# Altium PCB Napelem_inverter_0805.PcbDoc (part 1 of 2)
Units mil, origin at the board's own origin, x right, y up, seen from the top; angles counter-clockwise.
Board outline 6000 x 4000 mil, 2 copper layers (Top Layer, Bottom Layer); 312 components, 166 nets, 981 pads, 0 vias.
Unrouted connection lines stored in the file: 658.
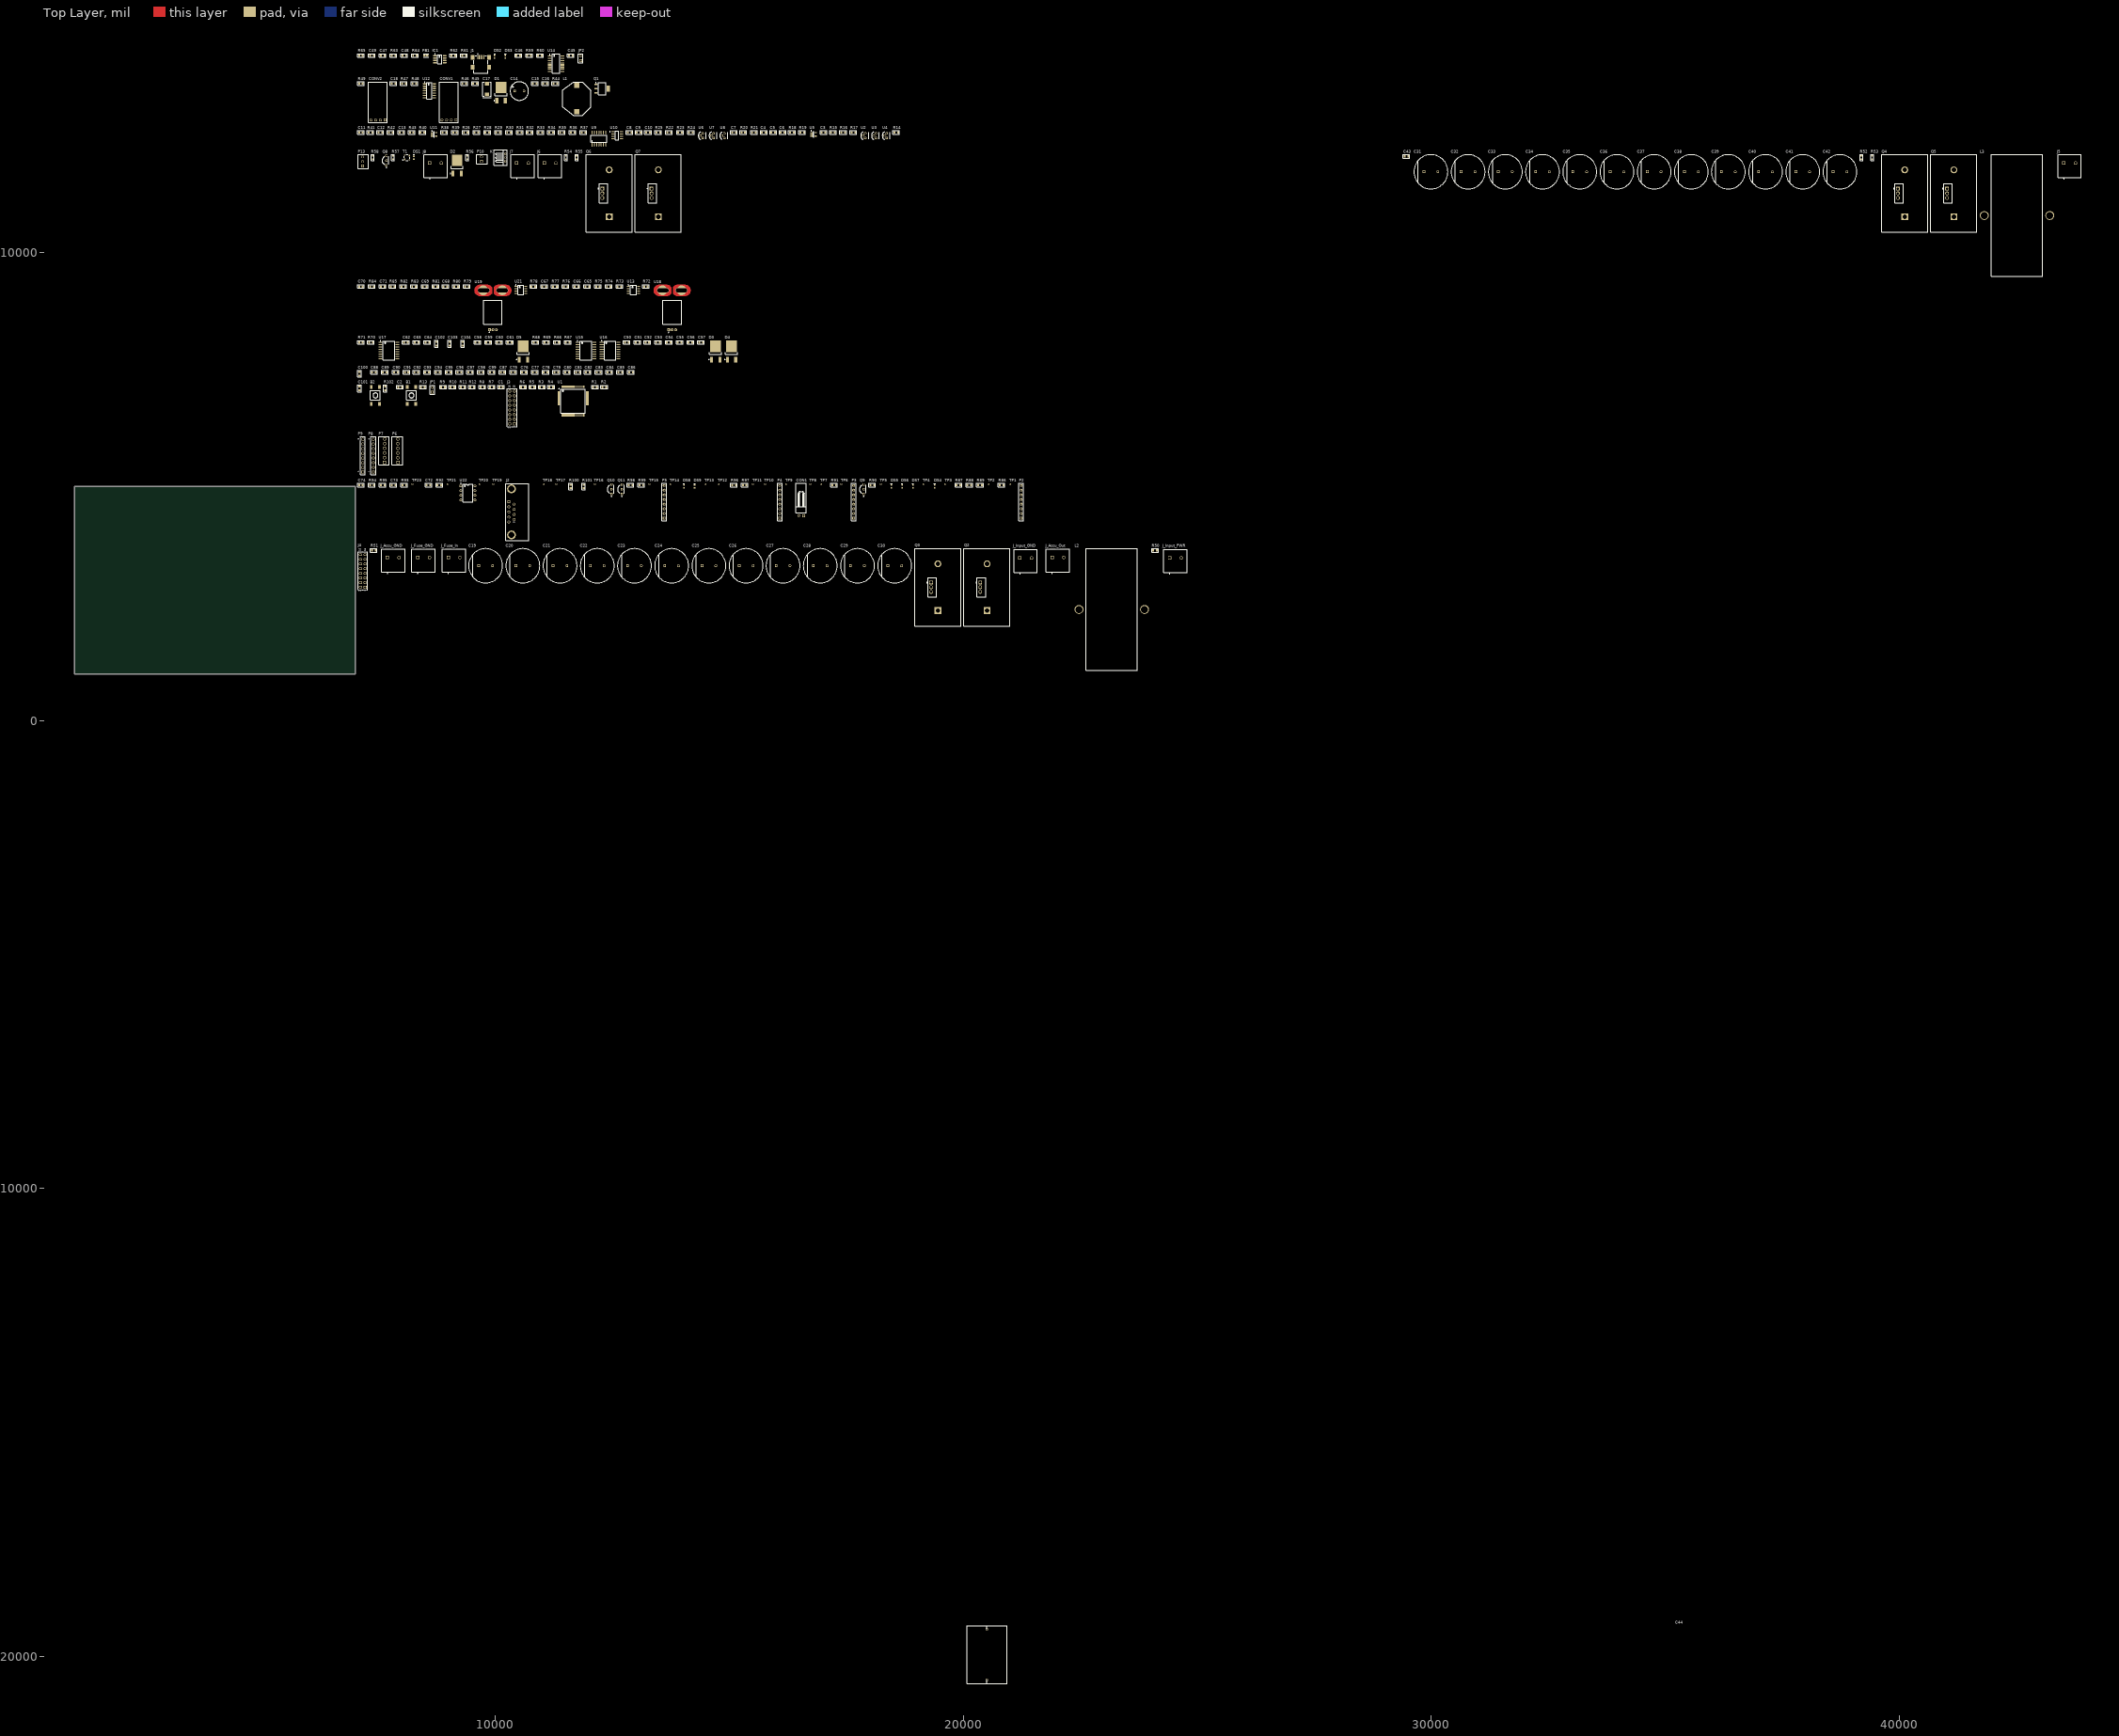
[diagram p0: Top Layer view]
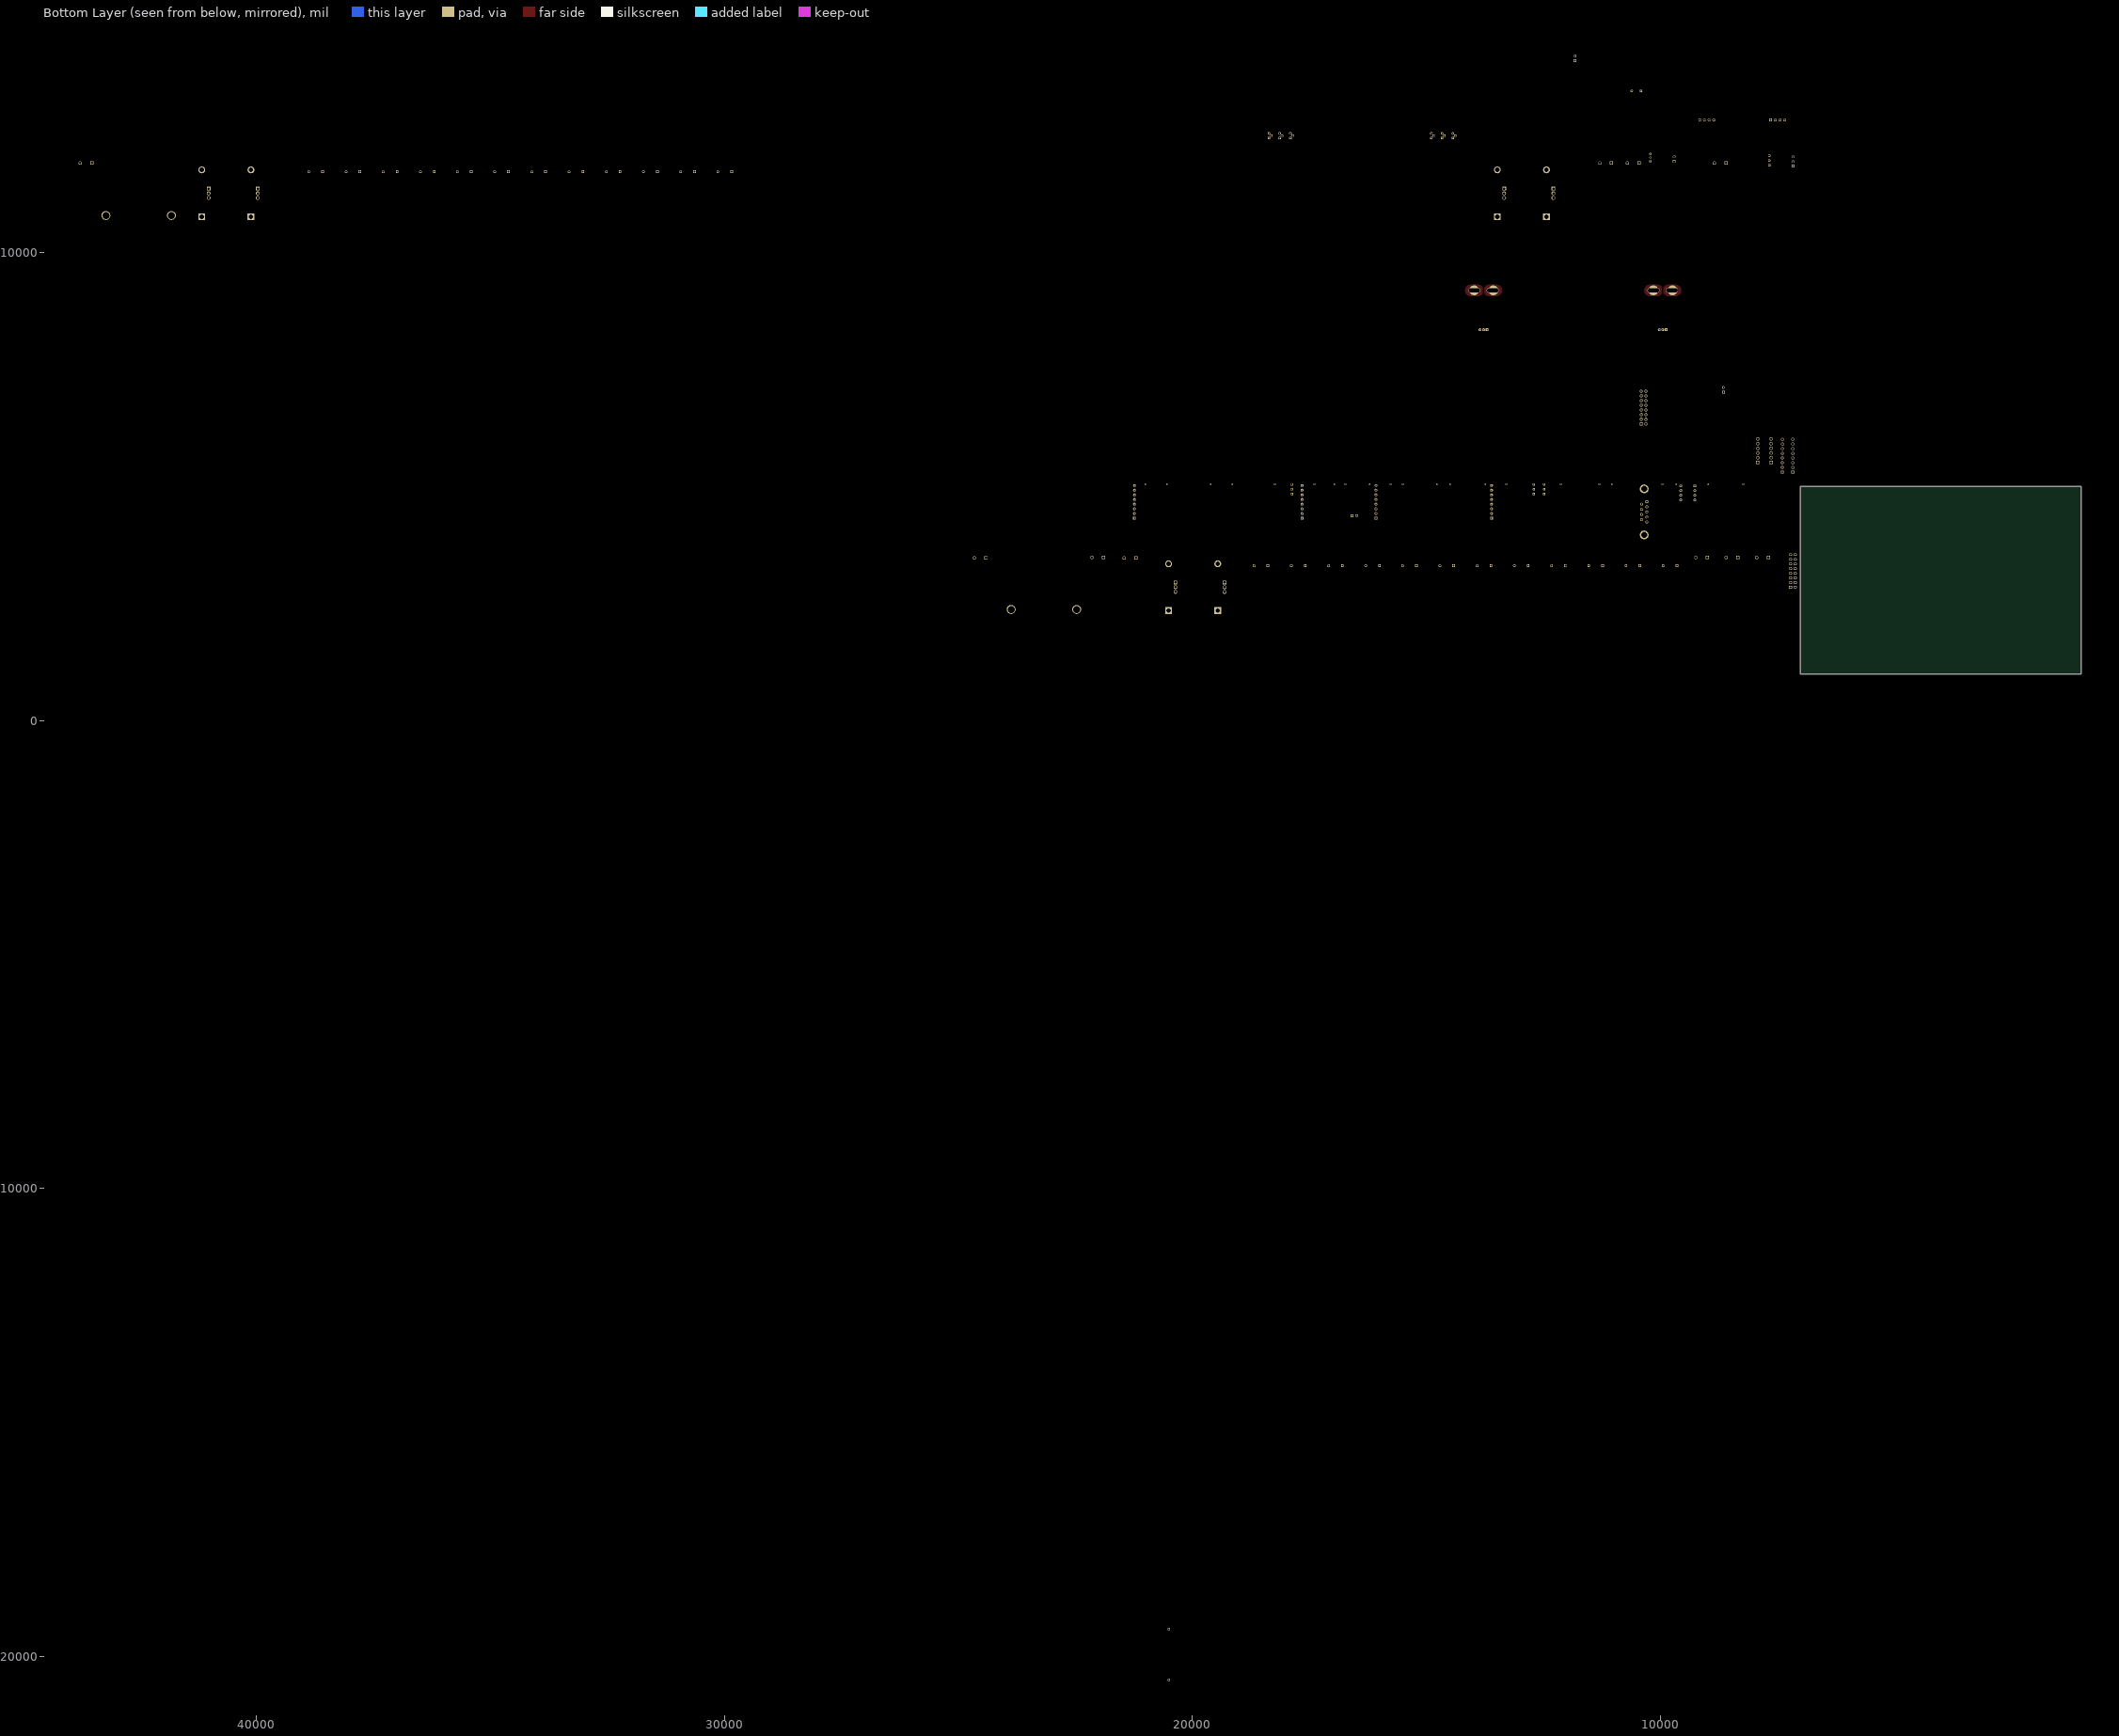
[diagram p1: Bottom Layer view, seen from below]

## Layer stack, top to bottom
Top Solder: solder mask 0.4, Solder Resist, Dk 3.5
Top Layer: signal copper 1.4
Dielectric 1: dielectric 12.6, FR-4, Dk 4.8
Bottom Layer: signal copper 1.4
Bottom Solder: solder mask 0.4, Solder Resist, Dk 3.5

## Board outline
1000,1000 7000,1000 7000,5000 1000,5000

## Design rules (kind name [scope] priority, off if disabled: settings)
Clearance [All] p1: gap=10 ignorepadtopadclearanceinfootprint=FALSE except(0: Arc-Hole Track-Hole SMDPad-Hole THPad-Hole Via-Hole Fill-Hole Poly-Hole Region-Hole Text-Hole)
PolygonConnect [All] p1: connectstyle=Relief reliefconductorwidth=10 reliefentries=4 polygonreliefangle="90 Angle" airgapwidth=10
RoomDefinition USB_and_FTDI [InComponentClass('USB_and_FTDI')] p1: confinementstyle=ConfineIn formatcopy=TRUE lockcomponents=FALSE outline 7045,13815 11950,13815 11950,14365 7045,14365
RoomDefinition PowerSupply [InComponentClass('PowerSupply')] p2: confinementstyle=ConfineIn formatcopy=TRUE lockcomponents=FALSE outline 7045,12770 12475,12770 12475,13765 7045,13765
RoomDefinition Measurements [InComponentClass('Measurements')] p3: confinementstyle=ConfineIn formatcopy=TRUE lockcomponents=FALSE outline 7045,12260 18670,12260 18670,12720 7045,12720
RoomDefinition Inverter [InComponentClass('Inverter')] p4: confinementstyle=ConfineIn formatcopy=TRUE lockcomponents=FALSE outline 7045,-20595 43900,-20595 43900,12210 7045,12210
RoomDefinition Hall_sensor [InComponentClass('Hall_sensor')] p5: confinementstyle=ConfineIn formatcopy=TRUE lockcomponents=FALSE outline 7045,8285 14185,8285 14185,9430 7045,9430
RoomDefinition Gate-Driver [InComponentClass('Gate-Driver')] p6: confinementstyle=ConfineIn formatcopy=TRUE lockcomponents=FALSE outline 7045,7645 15190,7645 15190,8235 7045,8235
RoomDefinition DSP_Supply [InComponentClass('DSP_Supply')] p7: confinementstyle=ConfineIn formatcopy=TRUE lockcomponents=FALSE outline 7045,7335 13010,7335 13010,7595 7045,7595
RoomDefinition DSP [InComponentClass('DSP')] p8: confinementstyle=ConfineIn formatcopy=TRUE lockcomponents=FALSE outline 7045,6230 12405,6230 12405,7280 7045,7280
RoomDefinition Display [InComponentClass('Display')] p9: confinementstyle=ConfineIn formatcopy=TRUE lockcomponents=FALSE outline 7045,5240 8030,5240 8030,6180 7045,6180
RoomDefinition Connectors [InComponentClass('Connectors')] p10: confinementstyle=ConfineIn formatcopy=TRUE lockcomponents=FALSE outline 7045,3835 21310,3835 21310,5185 7045,5185
RoomDefinition BoostConverter [InComponentClass('BoostConverter')] p11: confinementstyle=ConfineIn formatcopy=TRUE lockcomponents=FALSE outline 7045,1060 24900,1060 24900,3790 7045,3790
RoutingVias [All] p1: holewidth=28 width=50 viastyle="Through Hole" minholewidth=28 minwidth=50 maxholewidth=28 maxwidth=50
SolderMaskExpansion [All] p1: expansion=4 istentingtop=FALSE
Width [All] p1: maxlimit=10 minlimit=10 preferedwidth=10
30 further rules are at their usual default settings.

## Classes and differential pairs
component class USB_and_FTDI: C45 C46 C47 C48 C49 DS2 DS3 FB1 IC1 J1 JP2 R59 R60 R61 R62 R63 R64 R65 U14
component class PowerSupply: C14 C15 C16 C17 C18 CONV1 CONV2 D1 L1 Q1 R44 R45 R46 R47 R48 R49 U12
component class Measurements: C3 C4 C5 C6 C7 C8 C9 C10 C11 C12 C13 R14 R15 R16 R17 R18 R19 R20 R21 R22 R23 R24 R25 R26 R27 R28 R29 R30 R31 R32 R33 R34 R35 R36 R37 R38 R39 R40 R41 R42 R43 U2 U3 U4 U5 U6 U7 U8 U9 U10 U11
component class Inverter: C31 C32 C33 C34 C35 C36 C37 C38 C39 C40 C41 C42 C43 C44 D2 DS1 J5 J6 J7 J8 K L3 P10 P13 Q4 Q5 Q6 Q7 Q8 R52 R53 R54 R55 R56 R57 R58 T1
component class Hall_sensor: C65 C66 C67 C68 C69 C70 C71 R72 R73 R74 R75 R76 R77 R78 R79 R80 R81 R82 R83 R84 R85 U13 U18 U19 U21
component class Gate-Driver: C50 C51 C52 C53 C54 C55 C56 C57 C58 C59 C60 C61 C62 C63 C64 C102 C103 C104 D3 D4 D5 R66 R67 R68 R69 R70 R71 U15 U16 U17
component class DSP: B1 B2 C1 C2 C101 J3 JP1 R1 R2 R3 R4 R5 R6 R7 R8 R9 R10 R11 R12 R13 R102 U1
component class DSP_Supply: C75 C76 C77 C78 C79 C80 C81 C82 C83 C84 C85 C86 C87 C88 C89 C90 C91 C92 C93 C94 C95 C96 C97 C98 C99 C100
component class Display: P6 P7 P8 P9
component class Connectors: C72 C73 C74 CON1 DS4 DS5 DS6 DS7 DS8 DS9 J2 P2 P3 P4 P5 Q9 Q10 Q11 R86 R87 R88 R89 R90 R91 R92 R93 R94 R95 R96 R97 R98 R99 R100 R101 TP1 TP2 TP3 TP4 TP5 TP6 TP7 TP8 TP9 TP10 TP11 TP12 TP13 TP14 TP15 TP16 TP17 TP18 TP19 TP20 TP21 TP23 U22
component class BoostConverter: C19 C20 C21 C22 C23 C24 C25 C26 C27 C28 C29 C30 F1 J4 J_Accu_GND J_Accu_Out J_Fuse_GND J_Fuse_In J_Input_GND J_Input_PWR L2 Q2 Q3 R50 R51

## Components (designator, comment, footprint, x,y, rotation, side; value= is the part's Value field where it differs from the comment)
B1 "Button" FP_BTN_SMD 8205,6950 r0 top
B2 "Button" FP_BTN_SMD 7435,6950 r0 top
C1 "100nF" FP_0805_CAP_085 10120,7130 r0 top
C2 "100nF" FP_0805_CAP_085 7960,7130 r0 top
C3 "2.2nF" FP_0805_CAP_085 17010,12570 r0 top
C4 "22uF" FP_0805_CAP_085 15735,12570 r0 top
C5 "22uF" FP_0805_CAP_085 15935,12570 r0 top
C6 "22uF" FP_0805_CAP_085 16135,12570 r0 top
C7 "2.2nF" FP_0805_CAP_085 15095,12570 r0 top
C8 "22uF" FP_0805_CAP_085 12865,12570 r0 top
C9 "22uF" FP_0805_CAP_085 13060,12570 r0 top
C10 "22uF" FP_0805_CAP_085 13260,12570 r0 top
C11 "2,2nF" FP_0805_CAP_085 7125,12570 r0 top
C12 "2,2nF" FP_0805_CAP_085 7540,12570 r0 top
C13 "2,2nF" FP_0805_CAP_085 7990,12570 r0 top
C14 "100 uF" NIC-UVR-10x12.5-2_V 10510,13455 r0 top
C15 "220nF" FP_0805_CAP_085 10840,13615 r0 top
C16 "220nF" FP_0805_CAP_085 11060,13615 r0 top
C17 "T491X107K020AT" KEMT-7343-43_L 9820,13495 r90 top
C18 "2.2nF" FP_0805_CAP_085 7820,13615 r0 top
C19 "330 uF" FP-LXW18X25-MFG 9790,3310 r0 top
C20 "330 uF" FP-LXW18X25-MFG 10585,3310 r0 top
C21 "330 uF" FP-LXW18X25-MFG 11380,3310 r0 top
C22 "330 uF" FP-LXW18X25-MFG 12175,3310 r0 top
C23 "330 uF" FP-LXW18X25-MFG 12970,3310 r0 top
C24 "330 uF" FP-LXW18X25-MFG 13765,3310 r0 top
C25 "330 uF" FP-LXW18X25-MFG 14560,3310 r0 top
C26 "330 uF" FP-LXW18X25-MFG 15355,3310 r0 top
C27 "330 uF" FP-LXW18X25-MFG 16145,3310 r0 top
C28 "330 uF" FP-LXW18X25-MFG 16940,3310 r0 top
C29 "330 uF" FP-LXW18X25-MFG 17735,3310 r0 top
C30 "330 uF" FP-LXW18X25-MFG 18530,3310 r0 top
C31 "330 uF" FP-LXW18X25-MFG 29990,11730 r0 top
C32 "330 uF" FP-LXW18X25-MFG 30785,11730 r0 top
C33 "330 uF" FP-LXW18X25-MFG 31580,11730 r0 top
C34 "330 uF" FP-LXW18X25-MFG 32375,11730 r0 top
C35 "330 uF" FP-LXW18X25-MFG 33170,11730 r0 top
C36 "330 uF" FP-LXW18X25-MFG 33965,11730 r0 top
C37 "330 uF" FP-LXW18X25-MFG 34760,11730 r0 top
C38 "330 uF" FP-LXW18X25-MFG 35555,11730 r0 top
C39 "330 uF" FP-LXW18X25-MFG 36345,11730 r0 top
C40 "330 uF" FP-LXW18X25-MFG 37140,11730 r0 top
C41 "330 uF" FP-LXW18X25-MFG 37935,11730 r0 top
C42 "330 uF" FP-LXW18X25-MFG 38730,11730 r0 top
C43 "220nF" FP_0805_CAP_085 29465,12060 r0 top
C44 "CAP_AC_68uF" Capacitor_AC_68_uF -99999,99999 r90 top
C45 "100nF" FP_0805_CAP_085 11610,14215 r0 top
C46 "100nF" FP_0805_CAP_085 10490,14215 r0 top
C47 "100nF" FP_0805_CAP_085 7590,14215 r0 top
C48 "100pF" FP_0805_CAP_085 8050,14215 r0 top
C49 "10nF" FP_0805_CAP_085 7360,14215 r0 top
C50 "100nF" FP_0805_CAP_085 12805,8085 r0 top
C51 "1uF" FP_0805_CAP_085 13035,8085 r0 top
C52 "100nF" FP_0805_CAP_085 13245,8085 r0 top
C53 "1uF" FP_0805_CAP_085 13475,8085 r0 top
C54 "100nF" FP_0805_CAP_085 13705,8085 r0 top
C55 "1uF" FP_0805_CAP_085 13935,8085 r0 top
C56 "100nF" FP_0805_CAP_085 14165,8085 r0 top
C57 "1uF" FP_0805_CAP_085 14395,8085 r0 top
C58 "100nF" FP_0805_CAP_085 9615,8085 r0 top
C59 "1uF" FP_0805_CAP_085 9845,8085 r0 top
C60 "100nF" FP_0805_CAP_085 10075,8085 r0 top
C61 "1uF" FP_0805_CAP_085 10305,8085 r0 top
C62 "100nF" FP_0805_CAP_085 8085,8085 r0 top
C63 "100nF" FP_0805_CAP_085 8315,8085 r0 top
C64 "100nF" FP_0805_CAP_085 8545,8085 r0 top
C65 "1nF" FP_0805_CAP_085 11960,9280 r0 top
C66 "100nF" FP_0805_CAP_085 11730,9280 r0 top
C67 "100nF" FP_0805_CAP_085 11040,9280 r0 top
C68 "100nF" FP_0805_CAP_085 8930,9280 r0 top
C69 "68nF" FP_0805_CAP_085 8490,9280 r0 top
C70 "100nF" FP_0805_CAP_085 7125,9280 r0 top
C71 "100nF" FP_0805_CAP_085 7590,9280 r0 top
C72 "100pF" FP_0805_CAP_085 8570,5035 r0 top
C73 "30pF" FP_0805_CAP_085 7820,5035 r0 top
C74 "100nF" FP_0805_CAP_085 7125,5035 r0 top
C75 "2.2uF" FP_0805_CAP_085 10380,7445 r0 top
C76 "100nF" FP_0805_CAP_085 10610,7445 r0 top
C77 "2.2uF" FP_0805_CAP_085 10840,7445 r0 top
C78 "100nF" FP_0805_CAP_085 11070,7445 r0 top
C79 "2.2uF" FP_0805_CAP_085 11300,7445 r0 top
C80 "100nF" FP_0805_CAP_085 11530,7445 r0 top
C81 "2.2uF" FP_0805_CAP_085 11760,7445 r0 top
C82 "100nF" FP_0805_CAP_085 11970,7445 r0 top
C83 "2.2uF" FP_0805_CAP_085 12205,7445 r0 top
C84 "100nF" FP_0805_CAP_085 12435,7445 r0 top
C85 "2.2uF" FP_0805_CAP_085 12665,7445 r0 top
C86 "100nF" FP_0805_CAP_085 12895,7445 r0 top
C87 "100nF" FP_0805_CAP_085 10150,7445 r0 top
C88 "1uF" FP_0805_CAP_085 7405,7445 r0 top
C89 "100nF" FP_0805_CAP_085 7635,7445 r0 top
C90 "1uF" FP_0805_CAP_085 7870,7445 r0 top
C91 "100nF" FP_0805_CAP_085 8100,7445 r0 top
C92 "1uF" FP_0805_CAP_085 8310,7445 r0 top
C93 "100nF" FP_0805_CAP_085 8540,7445 r0 top
C94 "1uF" FP_0805_CAP_085 8770,7445 r0 top
C95 "100nF" FP_0805_CAP_085 9000,7445 r0 top